# Altium PCB 全兼容主控.PCBDOC (part 6 of 9) (continued)
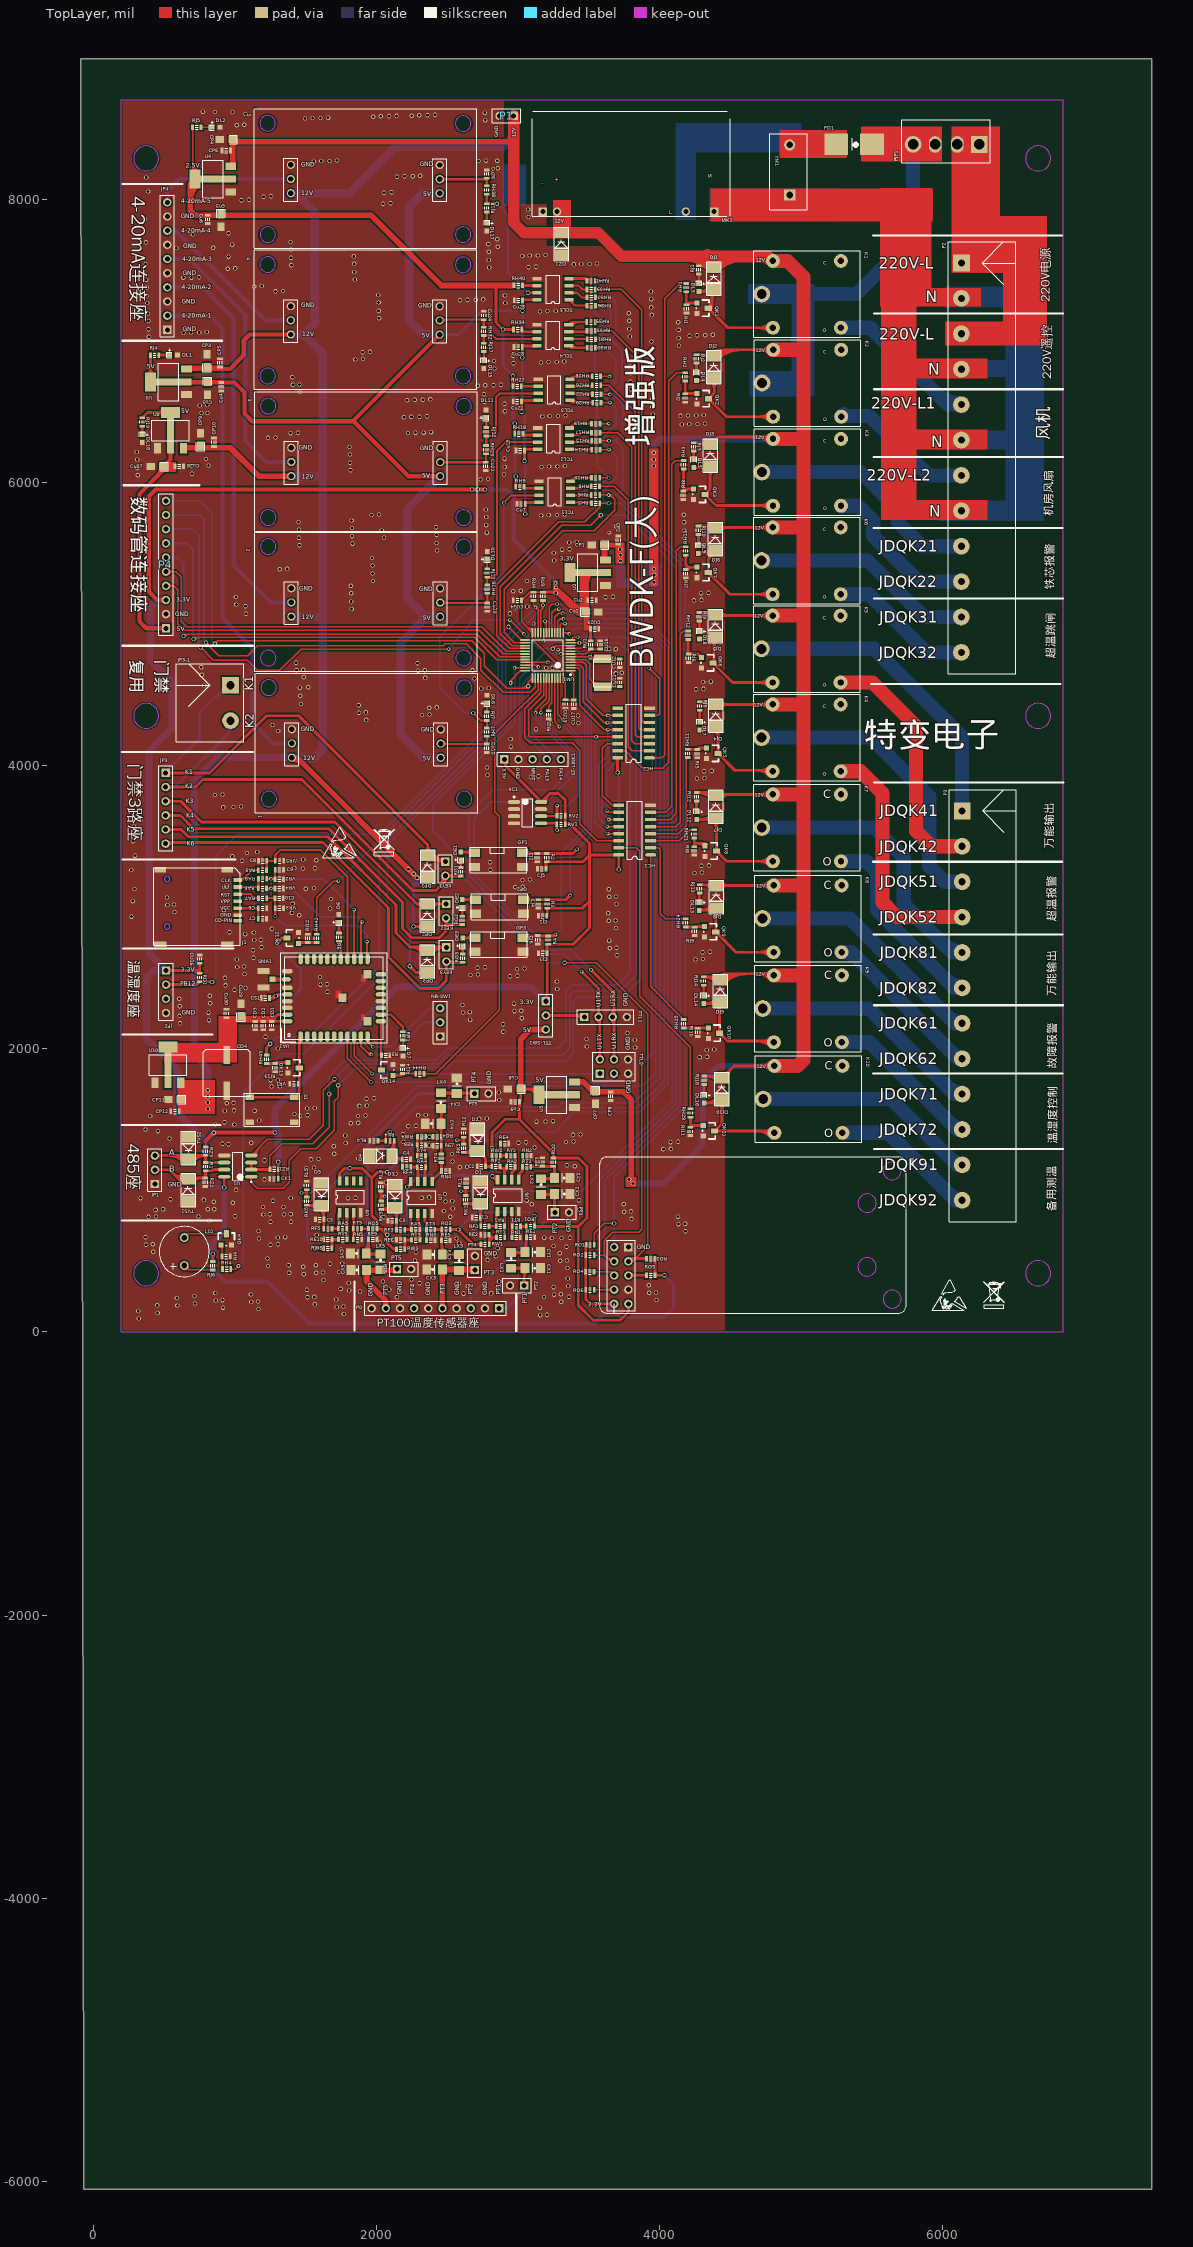
[diagram p0: TopLayer view]
## Nets (pads, with @x,y where several pads share a name; then routed paths per layer and width w, separated by ;. In a path a pad name is that pad's centre, name@x,y a point inside that pad or via, vN(x,y) a via of type N, cw(c..) or ccw(c..) an arc to the next point about the centre after c; other vN are vias at no path point) (continued)
  TopLayer w20: RH38.2@2779.6,8034.82 2779.6,7967.56 RJ18.1@2779.41,7967.36 v1(2850.17,7967.36)
  BottomLayer w15: v1(2850.17,7967.36) 2927.77,7889.76 2927.77,7482.36 v1@3070.98,7339.15 ; v1@2850.17,7959.86 cw(c2850.17,7941.75) 2862.97,7954.56 ; v1@2850.17,7959.86 cw(c2850.17,7941.75) 2862.97,7954.56 ; v1@2850.17,7959.86 cw(c2850.17,7941.75) 2862.97,7954.56 ; v1@2857.67,7967.36 ccw(c2875.77,7967.36) 2862.97,7954.56 ; v1@2857.67,7967.36 ccw(c2875.77,7967.36) 2862.97,7954.56 ; v1@2857.67,7967.36 ccw(c2875.77,7967.36) 2862.97,7954.56 ; 3057.76,7352.37 cw(c3044.3,7338.9) v1@3063.33,7338.9 ; 3057.76,7352.37 cw(c3044.3,7338.9) v1@3063.33,7338.9 ; 3057.76,7352.37 cw(c3044.3,7338.9) v1@3063.33,7338.9 ; 3058.69,7351.43 ccw(c3070.83,7363.58) v1@3070.83,7346.4 ; 3058.69,7351.43 ccw(c3070.83,7363.58) v1@3070.83,7346.4 ; 3058.69,7351.43 ccw(c3070.83,7363.58) v1@3070.83,7346.4
  other v1: 3070.83,7338.9
NetRH39_2: RH39.2 TCL5.3 | length 138.6
  TopLayer w15: TCL5.3@3359.74,7389.15 3428.1,7389.15 3455.45,7361.8 RH39.2@3487,7361.8
NetRH40_2: RH40.2 TCL5.6 | length 104.6
  TopLayer w20: RH40.2@3031.26,7390.56 3032.68,7389.15 TCL5.6@3135.33,7389.15
NetRH41_2: RH41.2 TCL5.4 | length 236.6
  TopLayer w20: TCL5.4@3359.74,7439.15 3470.29,7439.15 RH41.2@3486.64,7422.8 ; 3471.32,7439.14 cw(c3471.32,7417.31) RH41.2@3486.75,7432.75 ; 3471.32,7439.14 cw(c3471.32,7417.31) RH41.2@3486.75,7432.75 ; 3471.32,7439.14 cw(c3471.32,7417.31) RH41.2@3486.75,7432.75 ; 3471.32,7439.14 cw(c3471.32,7417.31) RH41.2@3486.75,7432.75 ; 3471.32,7439.14 cw(c3471.32,7417.31) RH41.2@3486.75,7432.75 ; 3471.32,7439.14 cw(c3471.32,7417.31) RH41.2@3486.75,7432.75
NetRN1_1: RN1.1 RT1.1 U6.3 | length 182.6
  TopLayer w20: U6.3@2955.43,850.24 2957.38,848.29 RN1.1@2957.38,668.41
NetRN2_1: RN2.1 RT2.1 U6.5 | length 409.2
  TopLayer w20: U6.5@3005.43,1074.65 3005.43,1110.94 3033.35,1138.86 3033.35,1248.42 RN2.1@3030.43,1251.34 ; U6.5@3007.93,1094.65 cw(c3053.3,1094.65) 3021.22,1126.73 ; U6.5@3007.93,1094.65 cw(c3053.3,1094.65) 3021.22,1126.73 ; U6.5@3007.93,1094.65 cw(c3053.3,1094.65) 3021.22,1126.73 ; 3017.87,1123.38 ccw(c2983.99,1157.25) RT2.1@3031.9,1157.25 ; 3017.87,1123.38 ccw(c2983.99,1157.25) RT2.1@3031.9,1157.25 ; 3017.87,1123.38 ccw(c2983.99,1157.25) RT2.1@3031.9,1157.25
NetRN3_1: RN3.1 RT3.1 U7.3 | length 202.3
  TopLayer w20: U7.3@2341.81,845.84 2341.81,783.29 2353.76,771.33 RT3.1@2353.76,722.33 2354.23,721.87 RN3.1@2354.23,648.69
NetRN4_1: RN4.1 RT4.1 U7.5 | length 298.9
  TopLayer w20: U7.5@2392.88,1061.05 2392.88,1069.5 RN4.1@2459.45,1136.07 2459.45,1196.1 RT4.1@2458.58,1196.97 ; U7.5@2392.88,1083.55 ccw(c2392.88,1117.48) 2416.87,1093.49 ; U7.5@2392.88,1083.55 ccw(c2392.88,1117.48) 2416.87,1093.49 ; U7.5@2392.88,1083.55 ccw(c2392.88,1117.48) 2416.87,1093.49 ; 2442.91,1119.54 cw(c2459.45,1103) RN4.1@2459.45,1126.38 ; 2442.91,1119.54 cw(c2459.45,1103) RN4.1@2459.45,1126.38 ; 2442.91,1119.54 cw(c2459.45,1103) RN4.1@2459.45,1126.38
NetRN5_1: RN5.1 RT5.1 U9.3 | length 227.5
  TopLayer w20: RN5.1@1837.24,652.75 1837.24,837.47 U9.3@1840.26,840.49 ; 1837.24,807.17 cw(c1853.58,807.17) U9.3@1842.02,818.72 ; 1837.24,807.17 cw(c1853.58,807.17) U9.3@1842.02,818.72 ; 1837.24,807.17 cw(c1853.58,807.17) U9.3@1842.02,818.72
NetTTL1_1: TTL1.1 TTL-SW1.2 | length 700.4
  TopLayer w20: TTL-SW1.2@3196.42,2234.88 3457.91,2234.88 TTL1.1@3469.08,2223.71 ; TTL-SW1.2@3210.23,2221.08 cw(c3243.56,2187.74) 3243.56,2234.88 ; TTL-SW1.2@3210.23,2221.08 cw(c3243.56,2187.74) 3243.56,2234.88 ; TTL-SW1.2@3210.23,2221.08 cw(c3243.56,2187.74) 3243.56,2234.88 ; TTL-SW1.2@3210.23,2248.69 ccw(c3243.56,2282.03) 3243.56,2234.88 ; TTL-SW1.2@3210.23,2248.69 ccw(c3243.56,2282.03) 3243.56,2234.88 ; TTL-SW1.2@3210.23,2248.69 ccw(c3243.56,2282.03) 3243.56,2234.88 ; 3394.97,2234.88 cw(c3394.97,2149.6) TTL1.1@3455.28,2209.91 ; 3394.97,2234.88 cw(c3394.97,2149.6) TTL1.1@3455.28,2209.91 ; 3394.97,2234.88 cw(c3394.97,2149.6) TTL1.1@3455.28,2209.91
NRST: CU18.1 RU1.2 ST-LINK1.3 UM1.7 | length 2048
  TopLayer w10: v2(3302.34,4787.73) 3479.08,4787.73 RU1.2@3513.53,4822.18 3579.69,4822.18 CU18.1@3580.09,4822.58 ; v2@3307.65,4782.43 cw(c3320.45,4769.62) 3320.45,4787.73 ; v2@3307.65,4782.43 cw(c3320.45,4769.62) 3320.45,4787.73 ; v2@3307.65,4782.43 cw(c3320.45,4769.62) 3320.45,4787.73 ; v2@3307.65,4793.03 ccw(c3320.45,4805.84) 3320.45,4787.73 ; v2@3307.65,4793.03 ccw(c3320.45,4805.84) 3320.45,4787.73 ; v2@3307.65,4793.03 ccw(c3320.45,4805.84) 3320.45,4787.73 ; 3488.46,4797.11 ccw(c3463.39,4822.18) RU1.2@3498.84,4822.18 ; 3488.46,4797.11 ccw(c3463.39,4822.18) RU1.2@3498.84,4822.18 ; 3488.46,4797.11 ccw(c3463.39,4822.18) RU1.2@3498.84,4822.18 ; RU1.2@3526.8,4818.76 cw(c3535.06,4810.49) 3535.06,4822.18 ; RU1.2@3526.8,4818.76 cw(c3535.06,4810.49) 3535.06,4822.18 ; RU1.2@3526.8,4818.76 cw(c3535.06,4810.49) 3535.06,4822.18 ; RU1.2@3526.8,4825.6 ccw(c3535.06,4833.87) 3535.06,4822.18 ; RU1.2@3526.8,4825.6 ccw(c3535.06,4833.87) 3535.06,4822.18 ; RU1.2@3526.8,4825.6 ccw(c3535.06,4833.87) 3535.06,4822.18 ; 3557.59,4822.18 ccw(c3557.59,4835.23) CU18.1@3566.82,4826 ; 3557.59,4822.18 ccw(c3557.59,4835.23) CU18.1@3566.82,4826 ; 3557.59,4822.18 ccw(c3557.59,4835.23) CU18.1@3566.82,4826 ; 3559.52,4822.18 cw(c3559.52,4811.85) CU18.1@3566.82,4819.16 ; 3559.52,4822.18 cw(c3559.52,4811.85) CU18.1@3566.82,4819.16 ; 3559.52,4822.18 cw(c3559.52,4811.85) CU18.1@3566.82,4819.16
  BottomLayer w10: ST-LINK1.3@3103.28,4043.42 3103.28,4053.41 3010.77,4145.92 3010.77,4614.91 3183.6,4787.73 v2(3302.34,4787.73) ; 3054.35,4102.35 cw(c2995.41,4043.42) ST-LINK1.3@3078.76,4043.42 ; 3054.35,4102.35 cw(c2995.41,4043.42) ST-LINK1.3@3078.76,4043.42 ; 3054.35,4102.35 cw(c2995.41,4043.42) ST-LINK1.3@3078.76,4043.42 ; 3071.42,4085.28 cw(c3029.56,4043.42) ST-LINK1.3@3088.76,4043.42 ; 3071.42,4085.28 cw(c3029.56,4043.42) ST-LINK1.3@3088.76,4043.42 ; 3071.42,4085.28 cw(c3029.56,4043.42) ST-LINK1.3@3088.76,4043.42 ; 3078.47,4078.22 ccw(c3103.28,4103.03) ST-LINK1.3@3103.28,4067.95 ; 3078.47,4078.22 ccw(c3103.28,4103.03) ST-LINK1.3@3103.28,4067.95 ; 3078.47,4078.22 ccw(c3103.28,4103.03) ST-LINK1.3@3103.28,4067.95 ; 3284.24,4787.73 cw(c3284.24,4769.62) v2@3297.04,4782.43 ; 3284.24,4787.73 ccw(c3284.24,4805.84) v2@3297.04,4793.03 ; 3284.24,4787.73 cw(c3284.24,4769.62) v2@3297.04,4782.43 ; 3284.24,4787.73 ccw(c3284.24,4805.84) v2@3297.04,4793.03 ; 3284.24,4787.73 cw(c3284.24,4769.62) v2@3297.04,4782.43 ; 3284.24,4787.73 ccw(c3284.24,4805.84) v2@3297.04,4793.03
O\E\: HC1.13 HC2.13 UM1.41 | length 2464.2
  TopLayer w10: UM1.41@3181.18,4617.45 3181.18,4496.77 3075.47,4391.06 3075.47,4210.91 3082.89,4203.48 HC2.13@3703.94,4203.48 ; v2(3632.65,3518.53) HC1.13@3711.74,3518.53 ; 3532.37,4203.48 cw(c3532.37,4183.46) v2@3546.53,4197.62 ; 3532.37,4203.48 cw(c3532.37,4183.46) v2@3546.53,4197.62 ; 3532.37,4203.48 cw(c3532.37,4183.46) v2@3546.53,4197.62 ; 3535.09,4203.48 ccw(c3535.09,4219.67) v2@3546.53,4208.22 ; 3535.09,4203.48 ccw(c3535.09,4219.67) v2@3546.53,4208.22 ; 3535.09,4203.48 ccw(c3535.09,4219.67) v2@3546.53,4208.22 ; v2@3557.14,4197.62 cw(c3571.3,4183.46) 3571.3,4203.48 ; v2@3557.14,4197.62 cw(c3571.3,4183.46) 3571.3,4203.48 ; v2@3557.14,4197.62 cw(c3571.3,4183.46) 3571.3,4203.48 ; v2@3557.14,4208.22 ccw(c3568.58,4219.67) 3568.58,4203.48 ; v2@3557.14,4208.22 ccw(c3568.58,4219.67) 3568.58,4203.48 ; v2@3557.14,4208.22 ccw(c3568.58,4219.67) 3568.58,4203.48 ; v2@3637.95,3513.23 cw(c3650.75,3500.43) 3650.75,3518.53 ; v2@3637.95,3513.23 cw(c3650.75,3500.43) 3650.75,3518.53 ; v2@3637.95,3513.23 cw(c3650.75,3500.43) 3650.75,3518.53 ; v2@3637.95,3523.84 ccw(c3650.75,3536.64) 3650.75,3518.53 ; v2@3637.95,3523.84 ccw(c3650.75,3536.64) 3650.75,3518.53 ; v2@3637.95,3523.84 ccw(c3650.75,3536.64) 3650.75,3518.53 ; 3661.04,4203.48 cw(c3661.04,4186.58) HC2.13@3672.99,4198.53 ; 3661.04,4203.48 ccw(c3661.04,4220.38) HC2.13@3672.99,4208.43 ; 3661.04,4203.48 cw(c3661.04,4186.58) HC2.13@3672.99,4198.53 ; 3661.04,4203.48 ccw(c3661.04,4220.38) HC2.13@3672.99,4208.43 ; 3661.04,4203.48 cw(c3661.04,4186.58) HC2.13@3672.99,4198.53 ; 3661.04,4203.48 ccw(c3661.04,4220.38) HC2.13@3672.99,4208.43 ; 3668.84,3518.53 cw(c3668.84,3501.63) HC1.13@3680.79,3513.58 ; 3668.84,3518.53 ccw(c3668.84,3535.43) HC1.13@3680.79,3523.48 ; 3668.84,3518.53 cw(c3668.84,3501.63) HC1.13@3680.79,3513.58 ; 3668.84,3518.53 ccw(c3668.84,3535.43) HC1.13@3680.79,3523.48 ; 3668.84,3518.53 cw(c3668.84,3501.63) HC1.13@3680.79,3513.58 ; 3668.84,3518.53 ccw(c3668.84,3535.43) HC1.13@3680.79,3523.48
  BottomLayer w10: v2(3551.84,4202.92) 3545.99,4197.07 3545.99,3599.96 3627.41,3518.53 v2(3632.65,3518.53) ; 3545.99,4170.69 cw(c3584.06,4170.69) v2@3557.14,4197.62 ; 3545.99,4170.69 cw(c3584.06,4170.69) v2@3557.14,4197.62 ; 3545.99,4170.69 cw(c3584.06,4170.69) v2@3557.14,4197.62 ; 3610.91,3535.04 ccw(c3632.65,3556.78) v2@3632.65,3526.03 ; 3610.91,3535.04 ccw(c3632.65,3556.78) v2@3632.65,3526.03 ; 3610.91,3535.04 ccw(c3632.65,3556.78) v2@3632.65,3526.03
PA8: P4.5 UM1.29 | length 3396.2
  TopLayer w10: P4.5@513.73,5369.12 583.46,5369.12 621.11,5331.47 621.11,5019.66 659.9,4980.87 2745.4,4980.87 2918.86,4807.41 UM1.29@3050.27,4807.41 ; P4.5@524,5358.85 cw(c548.8,5334.05) 548.8,5369.12 ; P4.5@524,5358.85 cw(c548.8,5334.05) 548.8,5369.12 ; P4.5@524,5358.85 cw(c548.8,5334.05) 548.8,5369.12 ; P4.5@524,5379.4 ccw(c548.8,5404.2) 548.8,5369.12 ; P4.5@524,5379.4 ccw(c548.8,5404.2) 548.8,5369.12 ; P4.5@524,5379.4 ccw(c548.8,5404.2) 548.8,5369.12 ; P4.5@531.07,5351.78 cw(c572.94,5309.91) 572.94,5369.12 ; P4.5@531.07,5351.78 cw(c572.94,5309.91) 572.94,5369.12 ; P4.5@531.07,5351.78 cw(c572.94,5309.91) 572.94,5369.12 ; P4.5@531.07,5386.47 ccw(c572.94,5428.34) 572.94,5369.12 ; P4.5@531.07,5386.47 ccw(c572.94,5428.34) 572.94,5369.12 ; P4.5@531.07,5386.47 ccw(c572.94,5428.34) 572.94,5369.12
PA9: P4.4 UM1.30 | length 3275.6
  TopLayer w10: P4.4@513.73,5269.12 568.8,5269.12 ; UM1.30@3050.27,4787.73 2894.3,4787.73 2726.87,4955.16 638.93,4955.16 597.75,4996.35 597.75,5240.18 568.8,5269.12 ; P4.4@524.53,5259.4 cw(c546.35,5239.77) 546.35,5269.12 ; P4.4@524.53,5259.4 cw(c546.35,5239.77) 546.35,5269.12 ; P4.4@524.53,5259.4 cw(c546.35,5239.77) 546.35,5269.12 ; P4.4@524.53,5278.84 ccw(c546.35,5298.48) 546.35,5269.12 ; P4.4@524.53,5278.84 ccw(c546.35,5298.48) 546.35,5269.12 ; P4.4@524.53,5278.84 ccw(c546.35,5298.48) 546.35,5269.12 ; P4.4@531.96,5252.72 cw(c568.8,5219.56) 568.8,5269.12 ; P4.4@531.96,5252.72 cw(c568.8,5219.56) 568.8,5269.12 ; P4.4@531.96,5252.72 cw(c568.8,5219.56) 568.8,5269.12 ; P4.4@531.96,5285.53 ccw(c568.8,5318.69) 568.8,5269.12 ; P4.4@531.96,5285.53 ccw(c568.8,5318.69) 568.8,5269.12 ; P4.4@531.96,5285.53 ccw(c568.8,5318.69) 568.8,5269.12
PA10: P4.6 UM1.31 | length 3916.3
  TopLayer w10: UM1.31@3050.27,4768.04 2869.73,4768.04 2709.29,4928.49 652.43,4928.49 ; v1@631.35,4921.55 cw(c648.1,4904.8) 648.1,4928.49 ; v1@631.35,4921.55 cw(c648.1,4904.8) 648.1,4928.49 ; v1@631.35,4921.55 cw(c648.1,4904.8) 648.1,4928.49 ; v1(638.43,4914.48) cw(c672.25,4880.66) 672.25,4928.49 ; v1(638.43,4914.48) cw(c672.25,4880.66) 672.25,4928.49 ; v1(638.43,4914.48) cw(c672.25,4880.66) 672.25,4928.49 ; v1(638.43,4914.48) 652.43,4928.49 ; v1@639.91,4924.37 ccw(c642.09,4938.83) 652.43,4928.49 ; v1@639.91,4924.37 ccw(c642.09,4938.83) 652.43,4928.49 ; v1@639.91,4924.37 ccw(c642.09,4938.83) 652.43,4928.49 ; v1@645.5,4907.41 cw(c696.39,4856.52) 696.39,4928.49 ; v1@645.5,4907.41 cw(c696.39,4856.52) 696.39,4928.49 ; v1@645.5,4907.41 cw(c696.39,4856.52) 696.39,4928.49 ; v1@648.31,4915.97 cw(c662.77,4918.15) 652.43,4928.49 ; v1@648.31,4915.97 cw(c662.77,4918.15) 652.43,4928.49 ; v1@648.31,4915.97 cw(c662.77,4918.15) 652.43,4928.49
  BottomLayer w15: P4.6@513.73,5469.12 595.83,5469.12 638.43,5426.53 v1(638.43,4914.48) ; P4.6@517.32,5469.12 522.91,5463.53 P4.6@536.75,5463.53 ; P4.6@529.3,5453.55 cw(c566.91,5415.94) 566.91,5469.12 ; P4.6@529.3,5453.55 cw(c566.91,5415.94) 566.91,5469.12 ; P4.6@529.3,5453.55 cw(c566.91,5415.94) 566.91,5469.12 ; P4.6@529.3,5484.7 ccw(c566.91,5522.3) 566.91,5469.12 ; P4.6@529.3,5484.7 ccw(c566.91,5522.3) 566.91,5469.12 ; P4.6@529.3,5484.7 ccw(c566.91,5522.3) 566.91,5469.12 ; v1@633.12,4919.78 ccw(c620.32,4932.59) 638.43,4932.59 ; v1@633.12,4919.78 ccw(c620.32,4932.59) 638.43,4932.59 ; v1@633.12,4919.78 ccw(c620.32,4932.59) 638.43,4932.59 ; 638.43,4932.59 ccw(c656.53,4932.59) v1@643.73,4919.78 ; 638.43,4932.59 ccw(c656.53,4932.59) v1@643.73,4919.78 ; 638.43,4932.59 ccw(c656.53,4932.59) v1@643.73,4919.78
PA11: P4.7 UM1.32 | length 4210.9
  TopLayer w10: UM1.32@3050.27,4748.36 2850.25,4748.36 2694.13,4904.49 720.48,4904.49 ; v1(709.16,4893.16) cw(c736.5,4865.82) 736.5,4904.49 ; v1(709.16,4893.16) cw(c736.5,4865.82) 736.5,4904.49 ; v1(709.16,4893.16) cw(c736.5,4865.82) 736.5,4904.49 ; v1(709.16,4893.16) 720.48,4904.49 ; v1@712.41,4902.62 ccw(c714.95,4910.02) 720.48,4904.49 ; v1@712.41,4902.62 ccw(c714.95,4910.02) 720.48,4904.49 ; v1@712.41,4902.62 ccw(c714.95,4910.02) 720.48,4904.49 ; v1@716.23,4886.09 cw(c760.64,4841.68) 760.64,4904.49 ; v1@716.23,4886.09 cw(c760.64,4841.68) 760.64,4904.49 ; v1@716.23,4886.09 cw(c760.64,4841.68) 760.64,4904.49 ; v1@718.61,4896.41 cw(c726.01,4898.96) 720.48,4904.49 ; v1@718.61,4896.41 cw(c726.01,4898.96) 720.48,4904.49 ; v1@718.61,4896.41 cw(c726.01,4898.96) 720.48,4904.49
  BottomLayer w15: P4.7@509.2,5569.12 506.1,5572.23 555.41,5572.23 ; P4.7@513.73,5569.12 661.74,5569.12 703.77,5527.09 703.77,4898.55 v1(709.16,4893.16) 709.16,4915.91 ; P4.7@529.3,5553.55 cw(c566.91,5515.94) 566.91,5569.12 ; P4.7@529.3,5553.55 cw(c566.91,5515.94) 566.91,5569.12 ; P4.7@529.3,5553.55 cw(c566.91,5515.94) 566.91,5569.12 ; P4.7@529.3,5584.7 ccw(c566.91,5622.3) 566.91,5569.12 ; P4.7@529.3,5584.7 ccw(c566.91,5622.3) 566.91,5569.12 ; P4.7@529.3,5584.7 ccw(c566.91,5622.3) 566.91,5569.12 ; P4.7@530.31,5583.62 ccw(c555.41,5605.55) 555.41,5572.22 ; P4.7@530.31,5583.62 ccw(c555.41,5605.55) 555.41,5572.22 ; P4.7@530.31,5583.62 ccw(c555.41,5605.55) 555.41,5572.22 ; P4.7@533.21,5558.84 cw(c555.41,5547.13) 555.41,5572.23 ; P4.7@533.21,5558.84 cw(c555.41,5547.13) 555.41,5572.23 ; P4.7@533.21,5558.84 cw(c555.41,5547.13) 555.41,5572.23 ; 703.77,4924.28 ccw(c740.27,4924.28) v1@714.46,4898.47 ; 703.77,4924.28 ccw(c740.27,4924.28) v1@714.46,4898.47 ; 703.77,4924.28 ccw(c740.27,4924.28) v1@714.46,4898.47 ; v1@703.85,4898.47 ccw(c691.05,4911.27) 709.16,4911.27 ; v1@703.85,4898.47 ccw(c691.05,4911.27) 709.16,4911.27 ; v1@703.85,4898.47 ccw(c691.05,4911.27) 709.16,4911.27 ; 709.16,4911.27 ccw(c727.26,4911.27) v1@714.46,4898.47 ; 709.16,4911.27 ccw(c727.26,4911.27) v1@714.46,4898.47 ; 709.16,4911.27 ccw(c727.26,4911.27) v1@714.46,4898.47
PA12: CJ6.2 GP3.4 R4.1 UM1.33 | length 3280.6
  TopLayer w10: UM1.33@3050.27,4728.67 v2(3210.22,4728.67) ; 3192.11,4728.67 cw(c3192.11,4710.57) v2@3204.91,4723.37 ; 3192.11,4728.67 ccw(c3192.11,4746.78) v2@3204.91,4733.98 ; 3192.11,4728.67 cw(c3192.11,4710.57) v2@3204.91,4723.37 ; 3192.11,4728.67 ccw(c3192.11,4746.78) v2@3204.91,4733.98 ; 3192.11,4728.67 cw(c3192.11,4710.57) v2@3204.91,4723.37 ; 3192.11,4728.67 ccw(c3192.11,4746.78) v2@3204.91,4733.98
  TopLayer w20: GP3.4@3036.31,2784.4 3048.46,2796.55 3256.17,2796.55 v2(3265.69,2806.06) ; GP3.4@3045.82,2784.73 cw(c3074.34,2756.2) GP3.4@3074.34,2796.55 ; GP3.4@3045.82,2784.73 cw(c3074.34,2756.2) GP3.4@3074.34,2796.55 ; GP3.4@3045.82,2784.73 cw(c3074.34,2756.2) GP3.4@3074.34,2796.55 ; GP3.4@3059.96,2770.59 cw(c3122.63,2707.92) CJ6.2@3122.63,2796.55 ; GP3.4@3059.96,2770.59 cw(c3122.63,2707.92) CJ6.2@3122.63,2796.55 ; GP3.4@3059.96,2770.59 cw(c3122.63,2707.92) CJ6.2@3122.63,2796.55 ; 3236.68,2796.55 ccw(c3236.68,2835.07) v2@3263.92,2807.83 ; 3236.68,2796.55 ccw(c3236.68,2835.07) v2@3263.92,2807.83 ; 3236.68,2796.55 ccw(c3236.68,2835.07) v2@3263.92,2807.83
  BottomLayer w10: v2(3210.22,4728.67) 3405.86,4728.67 3472.7,4661.84 3472.7,3550.73 3305.27,3383.3 3305.27,2845.64 v2(3265.69,2806.06) ; v2@3215.52,4723.37 cw(c3228.32,4710.57) 3228.32,4728.67 ; v2@3215.52,4723.37 cw(c3228.32,4710.57) 3228.32,4728.67 ; v2@3215.52,4723.37 cw(c3228.32,4710.57) 3228.32,4728.67 ; v2@3215.52,4733.98 ccw(c3228.32,4746.78) 3228.32,4728.67 ; v2@3215.52,4733.98 ccw(c3228.32,4746.78) 3228.32,4728.67 ; v2@3215.52,4733.98 ccw(c3228.32,4746.78) 3228.32,4728.67 ; v2@3265.69,2813.56 ccw(c3265.69,2831.67) 3278.49,2818.87 ; v2@3265.69,2813.56 ccw(c3265.69,2831.67) 3278.49,2818.87 ; v2@3265.69,2813.56 ccw(c3265.69,2831.67) 3278.49,2818.87 ; v2@3273.19,2806.06 cw(c3291.3,2806.06) 3278.49,2818.87 ; v2@3273.19,2806.06 cw(c3291.3,2806.06) 3278.49,2818.87 ; v2@3273.19,2806.06 cw(c3291.3,2806.06) 3278.49,2818.87
PA13: ST-LINK1.4 UM1.34 | length 1585.7
  TopLayer w10: UM1.34@3050.27,4708.99 3131.77,4708.99 ; v2@3136.74,4696.65 ccw(c3119.75,4696.97) 3131.77,4708.99 ; v2@3144.1,4704.01 cw(c3143.79,4721.01) 3131.77,4708.99 ; v2(3144.24,4696.51) 3131.77,4708.99
  BottomLayer w10: v2(3144.24,4696.51) 3144.24,4688.31 3033.22,4577.3 3033.22,4232.19 3203.28,4062.13 ST-LINK1.4@3203.28,4043.42 ; 3125.64,4669.71 ccw(c3098.84,4696.51) v2@3136.74,4696.51 ; 3125.64,4669.71 ccw(c3098.84,4696.51) v2@3136.74,4696.51 ; 3125.64,4669.71 ccw(c3098.84,4696.51) v2@3136.74,4696.51 ; 3148.18,4117.24 cw(c3074.36,4043.42) ST-LINK1.4@3178.76,4043.42 ; 3148.18,4117.24 cw(c3074.36,4043.42) ST-LINK1.4@3178.76,4043.42 ; 3148.18,4117.24 cw(c3074.36,4043.42) ST-LINK1.4@3178.76,4043.42 ; 3165.25,4100.17 cw(c3108.5,4043.42) ST-LINK1.4@3188.76,4043.42 ; 3165.25,4100.17 cw(c3108.5,4043.42) ST-LINK1.4@3188.76,4043.42 ; 3165.25,4100.17 cw(c3108.5,4043.42) ST-LINK1.4@3188.76,4043.42 ; 3182.32,4083.1 cw(c3142.64,4043.42) ST-LINK1.4@3198.76,4043.42 ; 3182.32,4083.1 cw(c3142.64,4043.42) ST-LINK1.4@3198.76,4043.42 ; 3182.32,4083.1 cw(c3142.64,4043.42) ST-LINK1.4@3198.76,4043.42 ; 3193.36,4072.05 ccw(c3203.28,4081.98) ST-LINK1.4@3203.28,4067.95 ; 3193.36,4072.05 ccw(c3203.28,4081.98) ST-LINK1.4@3203.28,4067.95 ; 3193.36,4072.05 ccw(c3203.28,4081.98) ST-LINK1.4@3203.28,4067.95
PA14: P4.10 ST-LINK1.5 UM1.37 | length 6502.9
  TopLayer w10: v1(858.28,4860.11) 880.78,4882.6 2672.86,4882.6 2762.39,4793.07 2762.39,4702.8 2919.49,4545.7 3058.79,4545.7 ; UM1.37@3102.44,4617.45 3072.32,4587.34 v1(3072.32,4559.23) ; v1@858.28,4870.11 ccw(c858.28,4894.25) 875.36,4877.18 ; v1@858.28,4870.11 ccw(c858.28,4894.25) 875.36,4877.18 ; v1@858.28,4870.11 ccw(c858.28,4894.25) 875.36,4877.18 ; v1@868.28,4860.11 cw(c892.43,4860.11) 875.36,4877.18 ; v1@868.28,4860.11 cw(c892.43,4860.11) 875.36,4877.18 ; v1@868.28,4860.11 cw(c892.43,4860.11) 875.36,4877.18 ; 3015.52,4545.7 ccw(c3015.52,4616.04) v1@3065.25,4566.3 ; 3015.52,4545.7 ccw(c3015.52,4616.04) v1@3065.25,4566.3 ; 3015.52,4545.7 ccw(c3015.52,4616.04) v1@3065.25,4566.3 ; 3039.66,4545.7 ccw(c3039.66,4591.89) v1(3072.32,4559.23) ; 3039.66,4545.7 ccw(c3039.66,4591.89) v1(3072.32,4559.23) ; 3039.66,4545.7 ccw(c3039.66,4591.89) v1(3072.32,4559.23) ; 3058.79,4545.7 cw(c3068.2,4536.29) v1@3070.56,4549.39 ; 3058.79,4545.7 ccw(c3049.38,4555.11) v1@3062.48,4557.46 ; 3058.79,4545.7 cw(c3068.2,4536.29) v1@3070.56,4549.39 ; 3058.79,4545.7 ccw(c3049.38,4555.11) v1@3062.48,4557.46 ; 3058.79,4545.7 cw(c3068.2,4536.29) v1@3070.56,4549.39 ; 3058.79,4545.7 ccw(c3049.38,4555.11) v1@3062.48,4557.46 ; 3058.79,4545.7 v1(3072.32,4559.23) ; 3063.8,4545.7 ccw(c3063.8,4567.75) v1@3079.4,4552.16 ; 3063.8,4545.7 ccw(c3063.8,4567.75) v1@3079.4,4552.16 ; 3063.8,4545.7 ccw(c3063.8,4567.75) v1@3079.4,4552.16 ; v1@3065.25,4566.3 ccw(c3048.18,4583.37) 3072.32,4583.37 ; v1@3065.25,4566.3 ccw(c3048.18,4583.37) 3072.32,4583.37 ; v1@3065.25,4566.3 ccw(c3048.18,4583.37) 3072.32,4583.37 ; 3072.32,4583.37 ccw(c3096.47,4583.37) v1@3079.4,4566.3 ; 3072.32,4583.37 ccw(c3096.47,4583.37) v1@3079.4,4566.3 ; 3072.32,4583.37 ccw(c3096.47,4583.37) v1@3079.4,4566.3
  BottomLayer w10: P4.10@513.73,5869.12 757.16,5869.12 837.15,5789.13 837.15,4881.25 v1(858.28,4860.11) ; v1(3072.32,4559.23) 3072.32,4248.94 3281.57,4039.69 ST-LINK1.5@3293.49,4039.69 ; P4.10@524,5858.85 cw(c548.8,5834.05) 548.8,5869.12 ; P4.10@524,5858.85 cw(c548.8,5834.05) 548.8,5869.12 ; P4.10@524,5858.85 cw(c548.8,5834.05) 548.8,5869.12 ; P4.10@524,5879.4 ccw(c548.8,5904.2) 548.8,5869.12 ; P4.10@524,5879.4 ccw(c548.8,5904.2) 548.8,5869.12 ; P4.10@524,5879.4 ccw(c548.8,5904.2) 548.8,5869.12 ; P4.10@531.07,5851.78 cw(c572.94,5809.91) 572.94,5869.12 ; P4.10@531.07,5851.78 cw(c572.94,5809.91) 572.94,5869.12 ; P4.10@531.07,5851.78 cw(c572.94,5809.91) 572.94,5869.12 ; P4.10@531.07,5886.47 ccw(c572.94,5928.34) 572.94,5869.12 ; P4.10@531.07,5886.47 ccw(c572.94,5928.34) 572.94,5869.12 ; P4.10@531.07,5886.47 ccw(c572.94,5928.34) 572.94,5869.12 ; 841.21,4877.18 cw(c824.14,4860.11) v1@848.28,4860.11 ; 841.21,4877.18 ccw(c858.28,4894.25) v1@858.28,4870.11 ; 841.21,4877.18 cw(c824.14,4860.11) v1@848.28,4860.11 ; 841.21,4877.18 ccw(c858.28,4894.25) v1@858.28,4870.11 ; 841.21,4877.18 cw(c824.14,4860.11) v1@848.28,4860.11 ; 841.21,4877.18 ccw(c858.28,4894.25) v1@858.28,4870.11 ; v1@3065.25,4552.16 cw(c3048.18,4535.09) 3072.32,4535.09 ; v1@3065.25,4552.16 cw(c3048.18,4535.09) 3072.32,4535.09 ; v1@3065.25,4552.16 cw(c3048.18,4535.09) 3072.32,4535.09 ; 3072.32,4535.09 cw(c3096.47,4535.09) v1@3079.4,4552.16 ; 3072.32,4535.09 cw(c3096.47,4535.09) v1@3079.4,4552.16 ; 3072.32,4535.09 cw(c3096.47,4535.09) v1@3079.4,4552.16 ; 3217.99,4103.27 ccw(c3303.28,4188.57) ST-LINK1.5@3303.28,4067.95 ; 3217.99,4103.27 ccw(c3303.28,4188.57) ST-LINK1.5@3303.28,4067.95 ; 3217.99,4103.27 ccw(c3303.28,4188.57) ST-LINK1.5@3303.28,4067.95 ; 3235.06,4086.2 ccw(c3303.28,4154.42) ST-LINK1.5@3303.28,4057.95 ; 3235.06,4086.2 ccw(c3303.28,4154.42) ST-LINK1.5@3303.28,4057.95 ; 3235.06,4086.2 ccw(c3303.28,4154.42) ST-LINK1.5@3303.28,4057.95 ; 3252.13,4069.13 ccw(c3303.28,4120.28) ST-LINK1.5@3303.28,4047.95 ; 3252.13,4069.13 ccw(c3303.28,4120.28) ST-LINK1.5@3303.28,4047.95 ; 3252.13,4069.13 ccw(c3303.28,4120.28) ST-LINK1.5@3303.28,4047.95 ; 3269.21,4052.06 ccw(c3303.28,4086.14) ST-LINK1.5@3303.28,4037.95 ; 3269.21,4052.06 ccw(c3303.28,4086.14) ST-LINK1.5@3303.28,4037.95 ; 3269.21,4052.06 ccw(c3303.28,4086.14) ST-LINK1.5@3303.28,4037.95
PA15: P4.9 UM1.38 | length 4476.4
  TopLayer w10: v1(796.36,4867.97) 888.31,4776.02 1091.4,4776.02 1159.61,4844.23 2473.76,4844.23 2487.62,4858.09 2633.64,4858.09 2736.26,4755.47 2736.26,4674.32 2894.7,4515.87 3086.07,4515.87 3122.12,4551.93 UM1.38@3122.12,4617.45 ; v1@796.36,4857.97 cw(c796.36,4833.83) 813.43,4850.9 ; v1@796.36,4857.97 cw(c796.36,4833.83) 813.43,4850.9 ; v1@796.36,4857.97 cw(c796.36,4833.83) 813.43,4850.9 ; v1@806.36,4867.97 ccw(c830.5,4867.97) 813.43,4850.9 ; v1@806.36,4867.97 ccw(c830.5,4867.97) 813.43,4850.9 ; v1@806.36,4867.97 ccw(c830.5,4867.97) 813.43,4850.9
  BottomLayer w15: P4.9@513.73,5769.12 751.64,5769.12 783.73,5737.04 783.73,4880.6 ; v1(796.36,4867.97) 783.73,4880.6 ; P4.9@529.3,5753.55 cw(c566.91,5715.94) 566.91,5769.12 ; P4.9@529.3,5753.55 cw(c566.91,5715.94) 566.91,5769.12 ; P4.9@529.3,5753.55 cw(c566.91,5715.94) 566.91,5769.12 ; P4.9@529.3,5784.7 ccw(c566.91,5822.3) 566.91,5769.12 ; P4.9@529.3,5784.7 ccw(c566.91,5822.3) 566.91,5769.12 ; P4.9@529.3,5784.7 ccw(c566.91,5822.3) 566.91,5769.12 ; 783.73,4880.36 ccw(c808.75,4880.36) v1@791.06,4862.67 ; 783.73,4880.36 ccw(c808.75,4880.36) v1@791.06,4862.67 ; 783.73,4880.36 ccw(c808.75,4880.36) v1@791.06,4862.67 ; 783.73,4880.6 cw(c771.34,4868.21) v1@788.86,4868.04 ; 783.73,4880.6 ccw(c796.12,4892.99) v1@796.29,4875.47 ; 783.73,4880.6 cw(c771.34,4868.21) v1@788.86,4868.04 ; 783.73,4880.6 ccw(c796.12,4892.99) v1@796.29,4875.47 ; 783.73,4880.6 cw(c771.34,4868.21) v1@788.86,4868.04 ; 783.73,4880.6 ccw(c796.12,4892.99) v1@796.29,4875.47 ; 783.73,4916.57 ccw(c844.96,4916.57) v1@801.66,4873.27 ; 783.73,4916.57 ccw(c844.96,4916.57) v1@801.66,4873.27 ; 783.73,4916.57 ccw(c844.96,4916.57) v1@801.66,4873.27
PB1: CJ2.2 GP1.4 R2.1 UM1.19 | length 2780.4
  TopLayer w10: GP1.4@3019.88,3378.96 GP1.4@3036.57,3378.96 ; v2@3185.43,5013.65 cw(c3148.18,4976.41) 3200.86,4976.41 ; v2(3190.74,5018.96) 3200.86,5008.83 ; v2@3192.08,5011.58 cw(c3193.85,5001.82) 3200.86,5008.83 ; v2@3192.5,5020.73 cw(c3172.33,5000.55) 3200.86,5000.55 ; v2@3198.12,5017.62 ccw(c3207.88,5015.85) 3200.86,5008.83 ; UM1.19@3200.86,4938.32 3200.86,5008.83
  TopLayer w20: GP1.4@3032.17,3383.36 3036.57,3378.96 CJ2.2@3135.94,3378.97 3388.87,3378.97 v2(3418,3408.1) ; GP1.4@3055.82,3369.55 cw(c3078.53,3346.84) 3078.53,3378.96 ; GP1.4@3055.82,3369.55 cw(c3078.53,3346.84) 3078.53,3378.96 ; GP1.4@3055.82,3369.55 cw(c3078.53,3346.84) 3078.53,3378.96 ; GP1.4@3055.82,3397.17 ccw(c3099.78,3441.13) 3099.78,3378.96 ; GP1.4@3055.82,3397.17 ccw(c3099.78,3441.13) 3099.78,3378.96 ; GP1.4@3055.82,3397.17 ccw(c3099.78,3441.13) 3099.78,3378.96
  BottomLayer w10: v2(3190.74,5018.96) 3215.67,5018.96 3519.13,4715.5 3519.13,3509.24 3498.75,3488.86 v2(3418,3408.1) ; v2@3196.04,5013.65 cw(c3208.84,5000.85) 3208.84,5018.96 ; v2@3196.04,5013.65 cw(c3208.84,5000.85) 3208.84,5018.96 ; v2@3196.04,5013.65 cw(c3208.84,5000.85) 3208.84,5018.96 ; v2@3196.04,5024.26 ccw(c3208.84,5037.06) 3208.84,5018.96 ; v2@3196.04,5024.26 ccw(c3208.84,5037.06) 3208.84,5018.96 ; v2@3196.04,5024.26 ccw(c3208.84,5037.06) 3208.84,5018.96 ; v2@3418,3415.6 ccw(c3418,3433.71) 3430.8,3420.91 ; v2@3418,3415.6 ccw(c3418,3433.71) 3430.8,3420.91 ; v2@3418,3415.6 ccw(c3418,3433.71) 3430.8,3420.91 ; v2@3425.5,3408.1 cw(c3443.61,3408.1) 3430.8,3420.91 ; v2@3425.5,3408.1 cw(c3443.61,3408.1) 3430.8,3420.91 ; v2@3425.5,3408.1 cw(c3443.61,3408.1) 3430.8,3420.91